# KiCad board Rogelio Pineda part 8-AMLDC-2044B.kicad_pcb (continued)
## Nets (continued)
T2p1: UT2.1 UU2.3
T2p2: UT2.2 UU2.11
T2p3: UT2.3
T2p4: UT2.4 UU2.6
T2p5: UT2.5 UU2.8
T2p8: UT2.8
T2p9: UT2.9
T2p10: UT2.10
T2p11: UT2.11
T2p12: UT2.12
T2p13: UT2.13
T3p1: UT3.1
T3p4: UT3.4
T3p9: UP5.1 UT3.9
T3p12: UT3.12
T6p3: UT6.3
T6p4: UT6.4
T6p6: UT6.6
T6p8: UT6.8
T6p9: UT6.9
T6p10: UT6.10
T6p11: UT6.11
T6p12: UT6.5 UT6.12
T6p13: UT6.13
T7p2: UT7.2
T7p3: UT7.3
T7p8: UT7.8
T7p9: UT7.9
T7p11: UT7.11
T7p12: UT7.1 UT7.12
TRK0: J1.84
TRK1: J1.86
TRK2: J1.87 UF2.10
TRK3: CR1.1 J1.83 R37.1 R49.1 UC0.9
TRK4: J1.89 UF2.8
TRK5: J1.91
TRK6: J1.73 R6.1 R7.1 UH4.1
TUR: J2.54 R28.1 R86.2 UW0.3
U0p1: UU0.1 UU1.5 UU1.6 UV2.11
U0p4: UU0.4 UU1.2 UV2.13
U0p9: UU0.9 UU1.12 UV2.1
U1p9: UU0.12 UU1.9 UV2.9
U1p11: UU1.11 UV1.11
U2p2: UU2.2 UV2.12
U2p5: UU2.5 UV2.10
U2p9: UU2.9 UV2.8
U2p13: UU2.13 UV2.2
U3p1: UU3.1 UU4.5 UU4.6
U3p4: UU3.4 UU4.2
U3p9: UL4.8 UU3.9 UU4.12
U3p12: UK5.11 UU3.12 UU4.9
U4p8: UU4.8
U4p10: UU4.10 UV4.10 UW3.10 UW4.6
U5p1: UU5.1
U5p2: UU5.2 UV5.15
U5p3: UU5.3 UV5.10
U5p4: UU5.4
U5p5: UU5.5
U5p6: UU5.6
U5p7: UU5.7
U5p9: UU5.9
U5p10: UU5.10
U5p11: UU5.11
U5p12: UU5.12
U5p13: UU5.13
U5p14: UU5.14
U5p15: UU5.15
W0p1: UD0.12 UN0.3 UW0.1
W0p2: UP3.2 UP3.5 UP3.10 UP3.13 UT3.2 UT3.5 UT3.10 UT3.13 UW0.2
W0p4: UT0.4 UW0.4
W0p6: UU1.3 UV1.3 UW0.6 UW1.2
W0p8: UW0.8 UW1.3
W0p10: UU1.10 UV1.10 UW0.10 UW1.6 UW2.6
W0p12: UU1.4 UV1.4 UW0.12 UW1.7 UW2.7
W1p1: UW1.1
W1p8: UW1.8
W1p11: UW1.11
W1p14: UW1.14
W1p16: UM2.5 UW1.16
W2p1: UW2.1
W2p8: UW2.8
W2p9: UW2.3 UW2.9
W2p10: UW2.2 UW2.10
W2p11: UW2.11
W2p14: UW2.14
W3p1: UW3.1
W3p2: UW3.2
W3p3: UW3.3
W3p4: UW3.4
W3p6: UU4.3 UV4.3 UW3.6 UW4.2
W3p8: UP4.1 UU4.11 UV4.11 UW3.8 UW4.3
W4p1: UW4.1
W4p8: UW4.8
W4p9: UW4.9
W4p11: UW4.11
W4p14: UW4.14
W5p3: UW5.3
W5p4: UW5.4
W5p5: UW5.5
W5p6: UW5.6
W5p9: UW5.9
W5p11: UW5.11
W5p12: UW5.12
W5p13: UW5.13
W5p14: UW5.14
W6p2: UW6.2
W6p3: UW6.3
W6p4: UW6.4
W6p5: UW6.5
W6p6: UW6.6
W6p8: UW6.8
W6p10: UW6.10
W6p11: UW6.11
W6p12: UW6.12
W6p13: UW6.13
WALLOUT: J1.65 UF2.5 UF5.1 UF5.13 UH5.9
WB6: J2.34 UK5.4
WL: J2.36 UK5.10
WRT: J1.88
~{DATA0}: J2.62 UL3.8 UM3.8 UN3.9 UP3.8 UR3.8
~{DATA1}: J2.65 UL3.6 UM3.6 UN3.5 UP3.6 UR3.6
~{DATA2}: J2.82 UL3.11 UM3.11 UN3.11 UP3.11 UR3.11
~{DATA3}: J2.73 UL3.3 UM3.3 UN3.13 UP3.3 UR3.3
~{DATA4}: J2.61 US3.8 UT3.8 UU3.8 UV3.8 UW3.9
~{DATA5}: J2.57 US3.6 UT3.6 UU3.6 UV3.6 UW3.5
~{DATA6}: J2.95 US3.11 UT3.11 UU3.11 UV3.11 UW3.11
~{DATA7}: J2.55 US3.3 UT3.3 UU3.3 UV3.3 UW3.13
~{DATA8}: J2.60 US0.8 UT0.8 UU0.8 UV0.8 UW0.9
~{DATA9}: J2.63 US0.6 UT0.6 UU0.6 UV0.6 UW0.5
~{DATA10}: J2.75 US0.11 UT0.11 UU0.11 UV0.11 UW0.11
~{DATA11}: J2.58 US0.3 UT0.3 UT1.3 UU0.3 UV0.3 UW0.13
~{DATA12}: J2.59 UL0.8 UM0.8 UN0.9 UP0.8 UP1.11 UR0.8
~{DATA13}: J2.64 UL0.6 UM0.6 UN0.5 UP0.6 UR0.6
~{DATA14}: J2.56 JP7.1 UL0.11 UM0.11 UN0.11 UP0.11 UR0.11
~{DATA15}: J2.66 JP8.1 UL0.3 UM0.3 UN0.13 UP0.3 UR0.3
~{DCHA}: J1.60 R38.1 UB1.1
~{DCHM0}: C62.1 J2.17 UG1.6
~{DCHM1}: J2.21
~{DCHP IN}: J1.94 UF1.1
~{DCHP OUT}: J1.93 R5.2 R54.2 R74.1 UG1.8
~{DCHR}: J2.35 UG1.3
~{DS0}: J1.72 JP2.2 UH0.9
~{DS1}: J1.68 UF0.1
~{DS2}: J1.66 R74.2 UF0.3
~{DS3}: J1.46 UG0.1
~{DS4}: J1.62 JP6.2 UH0.13
~{DS5}: J1.64 JP4.2 UH0.11
~{INTP IN}: J1.96 UH0.1
~{INTP OUT}: J1.95 R55.1 UJ0.3
~{INTR}: J2.29 UJ0.6
~{MSKO}: J1.38 UH0.3
~{RQENB}: J2.41 UF0.5
~{SELB}: J1.82 UJ0.8
~{SELD}: J1.80 UJ0.11
/Net-(UG4A-Q): UG4.13

Pads without a net: C2 1 2; C3 1 2; C4 1 2; C6 1 2; C10 2; C36 2; C57 2; J1 5 7 8 9 11 12 13 14 15 16 17 18 19 20 21 22 23 24 25 26 27 28 29 30 31 32 35 36 37 39 41 43 45 47 49 51 53 55 78 92; J2 5 7 8 9 10 12 14 16 18 20 22 24 26 28 30 32 42 43 44 45 46 47 68 70 71 72 74 76 77 78 79 80 83 85 86 87 88 89 90 91 92 93 94 96; JP1 1; JP4 1; JP5 1; R8 2; R26 2; R31 1; R84 1 2; R90 1 2; SW1 1 3; UB8 4 6 7 13; UC0 14; UE3 4; UE7 3 11; UF0 14; UF7 14; UF8 3 11; UG0 9 10 13; UG4 3 11; UG5 13; UK8 7; UM8 7; UN3 3; UN7 3; UP7 4 6 7 13; UR6 7; UR7 4 6 7 13; US7 4 5 6 7 13; UT7 4 6 7 13; UV6 2; Y1 3

## Via types
v1: diameter 0.6, hole 0.3, Top to Bottom, 769 vias
v2: diameter 0.8, hole 0.4, Top to Bottom, 19 vias
v3: diameter 0.8, hole 0.3, Top to Bottom, 1 via

## Routing (per net, layer and track width the routed paths; a pad name or vN(x,y) marks a point on that pad's centre or on a via; arc(x,y) is an arc through that point)
+5V: length 5503.6
  Top w0.15: UP2.14 191.55,171.22 191.71,172.03 192.09,173.4 193.6,176.32 C69.1 195.01,179.66 195.48,180.43 196.73,183.44 197.97,185.62 UN2.5 ; 94.03,264.45 93.1,265.61 91.87,267.22 R17.2 90.38,269.54 90.08,270.03 ; R39.1 405.18,300.19 R69.2 ; J2.3 81.19,199.07 v2(81.38,199.05) 81.67,199.06 82.27,199.48 83.4,200.01 83.92,200.53 v1(83.72,230.06) 83.92,230.06 ; US1.5 158.06,129.49 157.5,130.74 157.24,134.76 157.17,134.83 157.17,139.02 157.67,139.53 157.67,139.74 v1(157.64,139.78) 157.67,139.81 158.18,142.77 158.36,143.21 UR1.5 ; R56.2 85.93,275.78 87,274.59 87.53,273.75 88.78,272.11 R36.2 90.23,269.8
  Top w0.25: 379.78,294.22 379.75,294.11 378.13,294.22 377.77,293.86 377.68,293.95 ; 226.35,94.79 226.35,89.75 ; 226.35,94.79 R66.2 ; 226.35,94.79 226.5,94.64 226.5,97.01 226.76,97.26 ; 226.35,89.75 226.22,89.62 R65.2 ; 226.35,89.75 226.37,89.72 C32.2 ; UR6.14 340.88,150.57 340.13,151.32 ; 226.59,72.61 226.59,61.92 ; 226.59,72.61 226.82,72.84 UV3.14 ; 226.59,72.61 226.37,72.83 C32.2 ; 226.59,61.92 226.69,61.82 R82.1 ; 226.59,61.92 226.59,54.87 ; UB8.5 425.71,390.31 424.96,389.38 424.48,388.93 C17.2 415.32,388.43 414.74,389.01 ; 414.09,328.35 414,328.44 414.11,328.55 414.11,347.66 ; 414.09,328.35 414.09,311.63 ; 414.09,328.35 UF8.14 ; 340.93,366.84 341.04,366.95 UD6.14 ; 340.93,366.84 340.68,367.08 C52.2 340.68,378.27 341.09,378.67 ; 340.93,366.84 340.93,348.22 ; 341.3,234.9 341.44,234.75 v1(342.19,234.79) 342.23,234.75 342.31,234.83 ; 341.3,234.9 341.2,234.81 341.2,227.81 ; 341.3,234.9 341.3,261.53 ; 226.94,35.12 200.41,35.12 198.79,36.74 ; 226.94,35.12 226.59,35.47 226.59,54.87 ; 226.94,35.12 227.78,35.95 261.58,35.95 ; UH3.14 227.09,297.18 226.82,297.45 ; 413.94,234.72 413.91,234.7 ; 413.94,234.72 414.43,234.23 C54.2 413.37,215.64 413.37,200.93 ; 413.94,234.72 413.94,236.96 v1(413.87,237.02) 413.94,237.09 413.94,246.95 ; 296.34,383.25 UC5.14 ; 296.34,383.25 296.08,383.52 296.08,399.87 ; 296.34,383.25 296.65,382.94 296.65,366.92 296.75,367.02 ; 226.76,100.07 226.76,97.26 ; 226.76,100.07 R60.2 ; 226.76,100.07 226.81,100.02 226.81,116.49 ; 226.76,97.26 226.76,96.91 227,97.14 UU3.14 ; 144.4,87.7 144.4,93.17 143.6,93.97 143.6,97.08 ; 144.4,87.7 145.89,86.21 C34.2 ; 144.4,87.7 144.4,82.89 145.62,81.67 145.62,73.33 ; 414.74,389.01 414.74,382.88 414.81,382.95 ; 414.74,389.01 414.74,408.4 414.13,409 378.05,409 ; 146.42,183.63 146.42,169.67 146.49,169.6 ; 146.42,183.63 146.42,211.86 146.49,211.94 ; 146.42,183.63 156.52,183.63 157.38,185.48 UN1.5 ; 296.39,212.05 296.39,228.24 296.14,228.48 ; 296.39,212.05 296.39,195.01 ; 296.39,212.05 296.54,211.9 UM5.14 ; UW3.14 227.39,55.06 226.9,54.56 226.59,54.87 ; 259.2,340.75 259.2,329.43 258.91,329.15 258.98,329.08 ; 259.2,340.75 259.2,339.9 259.21,339.89 v1(257.8,339.89) 257.8,339.93 ; 259.2,340.75 259.2,348.17 ; 296.39,195.01 296.58,195.2 UN5.16 ; 296.39,195.01 296.39,170.02 ; 296.39,152 296.39,117.98 ; 296.39,152 UR5.14 ; 296.39,152 296.39,170.02 ; 296.39,117.98 296.37,117.96 ; 296.39,117.98 296.39,96.99 296.06,96.66 296.06,96.66 ; UB3.14 227.25,400.9 227.23,400.88 ; 112.29,211.88 112.14,214.48 110.98,216.86 107.59,221.59 107.59,229.22 ; 112.29,211.88 UM0.14 ; 112.29,211.88 111.72,211.32 110.86,207.44 108.95,203.12 108.32,198.62 108.29,196.08 108,195.31 ; 106.36,406.53 108.18,408.35 140.08,408.35 ; 106.36,406.53 105.4,405.57 R37.2 ; 106.36,406.53 105.38,405.55 ; 378.17,347.8 UE7.14 ; 378.17,347.8 378.17,332.73 ; 378.17,347.8 378.24,347.88 378.24,366.85 ; 341.09,378.67 338.72,378.67 338.6,378.55 v1(338.6,378.4) 338.44,378.4 338.52,378.47 ; 341.09,378.67 341.24,378.83 341.24,383.09 ; 185.96,376.5 185.07,375.43 R50.1 ; 341.2,169.66 341.36,169.5 341.48,169.62 UP6.14 ; 341.2,169.66 341.2,194.83 ; 341.2,169.66 340.1,169.66 340.02,169.74 340.02,156.09 340.13,155.98 ; UP0.14 108.19,170.01 107.88,169.7 107.88,170.03 ; 378.18,399.7 v1(378.18,405.01) 378.18,407.74 378.75,408.3 378.05,409 ; 378.18,399.7 378.18,383.39 ; 378.18,399.7 378.3,399.57 378.33,399.6 UB7.14 ; 377.09,194.88 377.09,210.53 376.14,211.47 ; 377.09,194.88 377.27,194.7 377.27,156.39 v1(377.22,156.34) 377.27,156.3 v1(377.27,139.83) 377.27,135.59 377.22,134.59 377.31,132.9 v1(377.13,121.72) 377.04,118.3 377.04,103.92 ; 377.09,194.88 377.2,195 UN7.14 ; UL2.14 187.16,228.48 186.62,229.03 ; 376.14,211.47 UM7.14 ; 376.14,211.47 376.67,212 376.67,228.13 ; UD1.14 146.08,369.87 145.85,369.64 ; 143.97,361.13 v1(144.02,361.08) 144.07,361.03 145.85,361.03 ; 413.37,200.93 413.96,200.33 422.18,200.33 422.42,200.58 424.67,202.33 426.01,204 ; 413.37,200.93 412.95,200.51 R21.1 410.82,182.53 410.49,181.79 409.92,180.74 409.92,169.61 409.9,168.64 409.92,168.1 410.63,167.22 411.33,166.56 R23.2 412.91,162.03 R24.1 412.83,117.88 412.78,117.83 412.72,54.49 412.13,51.66 410.85,38.83 410.15,35.3 377.62,35.3 377.26,34.94 ; 259.04,389.2 259.04,383.93 ; 259.04,389.2 v1(259.06,389.22) 259.04,400.96 ; 259.04,389.2 258.47,388.63 257.8,388.63 256.37,390.05 ; 259.04,383.93 261.28,383.93 UC4.14 ; 259.04,383.93 259.04,381.39 ; UL1.14 146.53,228.39 146.49,228.36 ; 186.31,403.02 186.17,403.16 186.17,409.06 185.9,409.33 ; 186.31,403.02 186.38,403.09 UB2.14 ; 186.31,403.02 186.31,385.12 ; 226.05,136.1 226.78,135.37 US3.14 ; 226.05,136.1 226.05,134.24 226.81,133.48 226.81,116.49 ; 226.05,136.1 226.05,151.63 ; 185.87,368.65 UD2.14 ; 185.87,368.65 185.83,368.6 185.8,368.63 R12.2 185.96,371.91 R13.1 185.96,384.78 186.31,385.12 ; 185.87,368.65 185.87,350.8 186,350.67 ; 296.05,409.11 296.05,405.58 v1(296.08,405.55) 296.05,405.53 296.05,401.42 296.08,399.87 ; 296.05,409.11 340.87,409.11 ; 296.05,409.11 283.86,409.11 ; 110.29,240.9 111.61,240.82 118.23,240.46 118.52,240.75 C65.1 ; 110.29,240.9 110.29,242.88 110.69,243.99 111.76,245.58 112.68,247.25 112.96,259.17 ; 110.29,240.9 107.24,231.53 107.59,229.22 ; 341.24,383.09 341.36,383.2 UC6.14 ; 341.24,383.09 341.13,383.21 341.13,400.37 ; 145.94,297.52 145.94,277.99 ; 145.94,297.52 146.13,297.33 UH1.14 ; 145.94,297.52 145.85,297.61 145.85,302.75 ; 145.94,277.99 146.06,277.87 146.06,261.48 146.3,261.72 ; 145.94,277.99 145.99,277.94 146.13,278.07 UJ1.14 ; 259.36,107.33 259.36,97.26 259.19,97.09 259.24,97.04 ; 259.36,107.33 259.36,120.82 258.68,121.5 ; 259.36,107.33 259.5,107.19 259.79,107.48 C18.2 ; 102.36,42.53 102.36,37.19 101.63,36.46 102.41,35.68 145.48,35.68 ; 102.36,42.53 107.17,42.53 ; 102.36,42.53 101.88,42.53 97.12,47.29 91.27,47.96 v1(91.02,48.17) 88.84,49.02 85.84,49.16 84.78,49.55 82.25,49.58 80.8,49.62 J2.97 ; 340.93,348.22 341.29,347.85 UE6.14 ; 340.93,348.22 340.93,342.57 341.17,342.34 341.17,328.69 ; 259.04,312.81 258.98,312.87 258.98,329.08 ; 259.04,312.81 261.33,312.81 UG4.16 ; 259.04,312.81 259.04,301.51 ; 145.85,331.98 145.85,315.46 ; 145.85,331.98 145.85,350.69 ; 145.85,331.98 146.38,331.45 146.55,331.62 UF1.14 ; 145.85,315.46 145.85,302.75 ; 145.85,315.46 146.25,315.06 UG1.14 ; 140.08,408.35 140.11,408.33 145.5,408.33 ; 140.08,408.35 140.93,407.5 140.93,385.65 143.38,383 144.48,382.85 145.98,383.3 145.98,383.55 ; 107.17,42.53 107.17,54.17 108.19,55.19 ; 107.17,42.53 107.17,40.24 v1(105.91,39.15) 106.03,39.1 ; C51.2 378.51,332.5 378.45,332.44 378.17,332.73 ; 107.28,315.6 107.67,315.21 107.67,313.3 ; 107.28,315.6 107.28,344.56 ; 107.28,315.6 107.77,315.11 UG0.14 ; 107.67,297.71 108.36,297.01 UH0.14 ; 107.67,297.71 107.4,297.53 R54.1 ; 107.67,297.71 107.74,284.8 ; 107.67,297.71 107.67,313.3 ; 295.92,312.58 296.33,312.17 UG5.14 ; 295.92,312.58 295.92,326.32 296.75,327.15 296.75,328.87 ; 295.92,312.58 296.15,312.35 R31.2 296.15,294.82 ; 414.81,382.95 414.94,382.82 414.94,366.88 ; 414.81,382.95 416.68,382.95 ; 296.06,96.66 295.2,95.79 295.2,83.67 ; 296.06,96.66 UU5.16 ; UT6.14 340.77,115.58 340.61,115.43 340.13,115.91 ; 259.04,368.69 259.04,348.01 259.2,348.17 ; 259.04,368.69 259.04,381.39 ; 259.04,368.69 259.04,367.4 259.18,367.27 UD4.14 ; 145.85,302.75 146.03,302.57 v1(148,302.65) 148.06,302.57 148.17,302.68 ; 296.75,367.02 296.75,357.24 ; 296.75,367.02 UD5.16 ; 296.75,357.24 294.76,357.28 293.73,356.35 ; 296.75,357.24 296.75,348.01 ; v1(340.25,39.53) 339.96,39.24 339.96,34.58 339.82,34.58 ; v1(340.25,39.53) 340.13,39.64 340.13,48.65 ; v1(340.25,39.53) 340.13,39.41 340.13,39.39 340.21,39.32 ; 378.17,332.73 377.68,332.24 377.68,311.42 ; 341.17,312.24 341.32,312.08 341.42,312.17 UG6.14 ; 341.17,312.24 341.17,294.68 341.13,294.64 341.3,294.47 ; 341.17,312.24 341.17,328.69 ; UM1.14 146.64,212.09 146.49,211.94 ; 296.75,328.87 296.92,328.7 297.07,328.85 UF5.14 ; 296.75,328.87 296.75,348.01 ; 226.25,243.99 226.25,266.82 v1(226.41,266.97) 226.25,267.13 226.25,278.08 226.23,278.1 ; 226.25,243.99 229.93,243.95 230.28,244.3 C68.2 ; 226.25,243.99 226.25,228.86 ; 259.04,295.03 259.04,284.87 ; 259.04,295.03 259.04,301.51 ; 259.04,295.03 259.04,294.79 259.24,294.6 259.32,294.68 UH4.16 ; 259.04,284.87 259.04,249.31 ; 259.04,284.87 259.04,283.92 258.72,283.6 R47.1 ; 186,339.94 186,339.74 186.35,339.39 191.04,339.39 190.93,339.5 v1(191.21,339.5) 191.21,339.22 ; 186,339.94 186,337.87 v1(186.1,337.77) 186,337.67 186,331.67 186.04,331.63 186.16,331.76 ; 186,339.94 186,350.67 ; UC2.16 186.38,385.06 186.31,385.12 ; 259.04,400.96 259.71,400.3 UB4.16 ; 259.04,400.96 259.04,409.33 ; 340.87,409.11 341.13,408.85 341.13,405.18 ; 340.87,409.11 363.07,409.11 363.18,409 ; 226.23,278.1 226.12,278 226.12,296.75 226.82,297.45 ; 226.23,278.1 UJ3.14 ; 186.16,331.76 UF2.14 ; 186.16,331.76 186.28,331.65 186.28,315.11 186.42,315.25 ; 118.98,376.5 118.43,375.95 117.31,375.95 ; 377.95,277.35 378.38,277.77 UJ7.16 ; 377.95,277.35 377.95,261.84 ; 377.95,277.35 377.95,293.68 377.68,293.95 ; 414.09,311.63 414.2,311.52 414.48,311.8 UG8.14 ; 414.09,311.63 413.94,311.48 413.94,262.01 ; UV6.14 340.87,72.27 340.37,71.77 340.13,72.01 ; 107.88,370.11 108.13,369.86 UD0.14 ; 107.88,370.11 107.88,375.8 108.18,376.1 ; 107.88,370.11 107.88,352.4 ; 198.79,36.74 198.73,41.03 198.65,46.4 UW2.5 ; 198.79,36.74 198.79,36.32 186.03,36.32 ; 258.68,170.57 C55.1 259.04,179.76 259.04,213.75 ; 258.68,170.57 258.68,170.31 258.68,170.3 259.13,169.86 UP4.16 ; 258.68,170.57 258.68,141.02 ; 226.81,116.49 227.07,116.23 UT3.14 ; 102.98,405.4 104.61,405.4 R37.2 ; 102.98,405.4 R18.2 100.13,403.57 99.95,403.39 ; 102.98,405.4 105.23,405.4 105.38,405.55 ; 261.72,38.77 261.79,38.84 v1(261.79,38.77) 261.72,38.77 ; 261.72,38.77 261.66,38.7 261.58,38.7 ; UM2.16 186.88,211.83 186.59,212.13 ; 377.04,103.92 379.81,104.33 385.41,104.33 388.03,104.41 388.66,106 UT7.5 ; 377.04,103.92 377.04,72.11 ; UP5.14 296.38,169.95 296.35,169.98 296.39,170.02 ; 296.14,228.48 296.14,245.97 296.22,246.05 ; 296.14,228.48 296.26,228.6 UL5.16 ; 296.22,246.05 296.37,245.91 296.43,245.97 UK5.14 ; 296.22,246.05 296.22,281.68 ; 143.6,97.08 144.03,97.51 UU1.14 ; 143.6,97.08 143.28,97.4 143.28,116.52 ; 414.94,353.01 414.11,352.17 414.11,351.52 v1(414.13,351.5) 414.11,351.47 414.11,347.66 ; 414.94,353.01 415.1,352.85 C53.2 ; 414.94,353.01 414.94,366.88 ; 146.3,261.72 UK1.14 ; 146.3,261.72 146.3,240.97 ; J1.97 81.21,238.97 v2(81.23,238.95) ; J1.3 87.78,388.75 99.95,403.39 ; US0.14 108.13,135.47 107.99,135.61 108.07,135.7 ; UN6.14 341.68,195.15 341.28,194.75 341.2,194.83 ; 261.58,35.95 271.2,35.95 ; 261.58,35.95 261.58,38.7 ; 271.2,35.95 292.88,35.95 294.6,34.23 294.73,34.36 ; 271.2,35.95 271.64,35.95 272,36.31 271.87,36.44 271.87,47.18 ; 258.98,329.08 UF4.14 ; 186.42,261.72 186.62,261.52 186.62,240.44 ; 186.42,261.72 186.72,261.41 186.77,261.45 UK2.14 ; 186.42,261.72 186.42,277.9 ; 340.13,151.32 340.13,135.66 ; 340.13,151.32 340.13,155.98 ; 340.13,135.66 340.57,135.22 340.71,135.35 US6.14 ; 340.13,135.66 340.13,115.91 ; 377.95,249.73 376.67,248.46 376.67,236.75 ; 377.95,249.73 377.95,261.84 ; 377.95,249.73 R40.1 ; 226.74,350.72 226.74,334.55 226.55,334.37 226.62,334.3 ; 226.74,350.72 UE3.14 ; 226.74,350.72 226.72,350.7 226.55,350.87 226.55,370.45 ; 226.62,334.3 C26.1 ; 226.62,334.3 226.62,331.76 ; 226.55,386.28 226.34,386.5 R27.2 ; 226.55,386.28 226.45,386.38 226.45,400.87 ; 226.55,386.28 226.55,370.45 ; 226.55,386.28 226.74,386.47 UC3.14 ; 117.31,375.95 117.54,376.18 C19.2 ; 117.31,375.95 108.18,375.95 108.18,376.1 ; 145.98,383.55 145.98,386.3 ; 145.98,383.55 145.98,379.15 ; 186.22,97.13 186.03,96.94 186.03,83.21 ; 186.22,97.13 186.35,97.26 UU2.14 ; 186.22,97.13 186.22,116.86 ; 107.59,229.22 108.32,228.48 UL0.14 ; 186.62,240.44 191.88,240.54 192.08,240.74 C67.1 ; 186.62,240.44 186.62,229.03 ; 186.42,315.25 186.42,297.21 ; 186.42,315.25 UG2.14 ; 186.42,297.21 186.42,277.9 ; 186.42,297.21 186.55,297.07 186.7,297.22 UH2.14 ; UV1.14 145.71,73.42 145.62,73.33 ; 259.04,301.51 258.81,301.28 258.61,301.48 R68.1 ; 341.3,294.47 UH6.14 ; 341.3,294.47 341.3,277.78 ; 226.55,370.45 227.24,369.77 UD3.16 ; 258.68,121.5 258.99,121.19 268.94,121.19 270.66,124.5 US4.5 ; 258.68,121.5 258.68,141.02 ; C22.2 295.7,84.17 295.2,83.67 ; 145.85,369.64 145.85,361.03 ; 145.85,369.64 145.85,379.02 145.98,379.15 ; 145.85,361.03 145.85,350.69 ; 107.88,170.03 107.88,195.19 108,195.31 ; 107.88,170.03 107.88,152.44 ; UV2.14 186.48,73.42 186.03,73.86 ; UL3.14 226.61,228.49 226.25,228.86 ; C70.1 226.31,177.9 226.02,178.19 ; 185.9,409.33 217.61,409.33 ; 185.9,409.33 146.5,409.33 145.5,408.33 ; 217.61,409.33 220.53,409.33 ; 217.61,409.33 217.83,409.11 R30.2 ; R64.2 223.57,84.83 C32.2 ; 414.94,366.88 415.17,366.65 UD8.14 ; 259.24,97.04 UU4.14 ; 259.24,97.04 259.24,72.97 ; 108.81,284.76 109.18,284.87 107.74,284.8 ; 377.95,261.84 378.87,260.92 UK7.14 ; 340.13,72.01 340.13,56.27 ; 340.13,72.01 340.13,85.62 ; 340.13,56.27 340.13,48.65 ; 340.13,56.27 340.13,55.09 340.74,54.49 341,54.75 UW6.14 ; 146.49,211.94 146.49,228.36 ; 259.24,72.97 259.5,72.71 259.57,72.78 260.06,72.78 260.31,72.53 UV4.14 ; 259.24,72.97 259.36,72.84 v1(259.36,60.58) 259.36,38.7 261.58,38.7 ; 341.2,227.81 341.2,211.52 ; 341.2,227.81 341.55,228.15 UL6.14 ; UG7.14 378.18,311.92 377.68,311.42 ; 146.49,169.6 146.81,169.92 UP1.14 ; 146.49,169.6 145.96,166.87 145.85,165.67 145.31,159.28 144.24,157.64 143.46,154.5 142.85,152.96 142.53,152.36 142.31,151.61 142.2,142.63 142.21,140.09 ; 146.49,228.36 146.3,228.55 146.3,240.97 ; 296.22,281.68 296.22,294.75 296.15,294.82 ; 296.22,281.68 297.08,281.68 v1(297.2,281.8) 297.26,281.86 ; UW6.1 341.15,47.13 340.45,46.43 340.13,46.75 340.13,48.65 ; 108.07,139.65 108.07,135.7 ; 108.07,139.65 107.88,139.83 107.88,152.44 ; 108.07,139.65 108.1,139.67 110.52,139.67 v1(110.6,139.75) 110.67,139.67 110.8,139.67 ; 108.07,135.7 108.07,129.53 ; 186.48,141.35 186.48,135.7 ; 186.48,141.35 197.21,141.35 198.18,143.22 UR2.5 ; 186.48,141.35 186.3,141.54 R85.2 186.3,177.92 v1(186.12,178.1) 186.3,178.28 186.3,211.84 186.59,212.13 ; 186.48,135.7 186.69,135.49 186.82,135.62 US2.14 ; 186.48,135.7 186.48,120.94 186.53,120.89 186.22,120.59 186.22,116.86 ; 259.04,236.61 259.04,235.71 259.07,235.68 259.41,236.01 UL4.14 ; 259.04,236.61 259.04,249.31 ; 259.04,236.61 259.04,213.75 ; R37.2 108.18,402.17 108.18,376.1 ; 340.13,85.62 340.13,115.91 ; 340.13,85.62 340.7,85.06 340.74,85.1 C23.2 ; 259.04,249.31 v1(260.38,249.43) 260.44,249.31 260.45,249.3 ; 341.2,194.83 341.2,211.52 ; C39.2 263.11,140.78 263.03,140.7 ; 107.88,352.4 108.66,351.63 108.98,351.63 UE0.14 ; 107.88,352.4 107.28,351.8 107.28,344.56 ; 107.88,352.4 112.34,352.4 113.6,351.13 113.6,350.29 115.09,348.8 ; UW0.14 108.64,55.64 108.19,55.19 ; 378.05,409 369.26,409 ; 339.82,34.58 294.95,34.58 294.73,34.36 ; 339.82,34.58 340.18,34.94 377.26,34.94 ; 341.2,211.52 341.29,211.6 UM6.14 ; UV0.14 108.33,73.48 107.91,73.07 ; 377.68,311.42 377.68,293.95 ; 186.03,83.21 186.5,83.67 C33.2 ; 186.03,83.21 186.03,73.86 ; 107.91,97.71 107.93,97.69 UU0.14 ; 107.91,97.71 107.91,116.51 108.07,116.66 ; 107.91,97.71 107.91,85.3 ; UW5.16 296.54,54.88 296.13,54.74 295.2,54.65 295.2,56.27 ; 341.13,405.18 341.27,405.33 C5.2 ; 341.13,405.18 341.13,403.64 ; 259.04,381.39 259.04,380.24 258.85,380.05 258.15,380.76 R88.2 255.31,378.54 254.09,376.12 ; 341.13,403.64 340.13,402.65 R81.1 ; 341.13,403.64 341.13,400.37 ; 143.28,116.52 143.24,116.49 143.24,120.22 142.21,121.26 142.21,140.09 ; 143.28,116.52 UT1.14 ; UM4.14 259.46,211.92 259.3,211.77 259.04,212.03 259.04,213.75 ; UV5.16 295.82,72.4 295.66,72.24 295.2,72.7 ; 222.78,409.33 226.02,409.33 ; 222.78,409.33 222.96,409.15 222.96,403.74 v1(223.04,403.66) 222.96,403.58 222.96,403.46 223.03,403.39 ; 222.78,409.33 220.53,409.33 ; 226.02,409.33 259.04,409.33 ; 226.02,409.33 226.49,409.33 226.56,409.26 226.56,404.47 226.62,404.53 v1(226.62,404.39) 226.49,404.39 226.38,404.29 226.45,404.22 226.45,400.87 ; 105.38,405.55 104.88,405.55 104.63,405.3 ; 145.5,408.33 145.5,402.58 145.91,402.99 UB1.14 ; 107.67,313.3 103.38,313.3 102.73,312.65 ; 340.13,155.98 C37.2 ; 226.17,170.02 UP3.14 ; 226.17,170.02 226.02,169.88 226.02,178.19 ; 226.17,170.02 226.05,169.91 226.05,151.63 ; 283.86,409.11 284.19,406.02 R87.2 ; 283.86,409.11 259.04,409.33 ; 220.53,409.33 R29.2 ; 294.73,34.36 295.2,34.83 295.2,56.27 ; 226.78,331.76 226.79,331.75 UF3.16 ; 226.78,331.76 226.62,331.76 ; 226.78,331.76 229.09,331.76 ; 363.66,406.58 363.66,408.52 363.18,409 ; 369.26,409 370.03,408.23 R80.2 ; 369.26,409 363.18,409 ; 259.2,348.17 UE4.14 ; 377.26,34.94 377.26,55.53 377.37,55.64 ; 414.11,347.66 414.29,347.48 414.4,347.6 UE8.14 ; 377.37,55.64 377.11,55.38 377.11,72.04 377.04,72.11 ; 377.37,55.64 R26.1 ; 107.74,278.23 107.67,278.16 107.67,278.17 107.67,284.5 ; 107.74,278.23 107.74,267.65 112.96,262.43 112.96,259.17 ; 107.74,278.23 UJ0.14 ; 112.96,259.17 113.15,258.97 UK0.14 ; 107.28,344.56 R32.2 ; 296.75,348.01 UE5.14 ; 258.68,141.02 259.01,140.7 263.03,140.7 ; 226.82,297.45 226.82,315.06 ; 378.18,383.39 378.37,383.2 UC7.14 ; 378.18,383.39 378.09,383.3 378.09,366.7 378.24,366.85 ; 413.94,246.95 413.94,249.78 v1(413.96,249.8) 413.94,249.82 413.94,262.01 ; 413.94,246.95 413.83,246.84 ; 378.23,237.3 v1(378.23,237.26) 378.18,237.26 377.68,236.75 376.67,236.75 ; 376.67,236.75 376.67,228.13 ; 108.19,55.19 108.19,72.78 107.91,73.07 ; 186.03,73.86 186.03,36.32 ; 186.03,36.32 185.8,36.08 158.18,36.08 157.9,36.37 ; 227.23,400.88 228.73,400.91 ; 227.23,400.88 226.45,400.87 ; 107.67,284.5 107.74,284.8 ; 107.67,284.5 107.59,284.43 R55.2 ; 186.22,116.86 186.66,116.42 UT2.14 ; 377.04,72.11 377.26,71.89 377.51,72.15 UV7.14 ; 295.2,72.7 295.2,56.27 ; 295.2,72.7 295.2,83.67 ; 146.3,240.97 146.99,240.28 151.33,240.35 151.53,240.55 C66.2 ; 296.15,294.82 296.42,294.55 UH5.14 ; 186.59,212.13 186.62,212.16 186.62,229.03 ; 145.62,73.33 145.62,35.83 145.48,35.68 ; 226.02,178.19 226.02,194.86 226.43,195.27 ; 376.67,228.13 376.99,227.81 377.28,228.1 UL7.14 ; 226.82,315.06 UG3.14 ; 226.82,315.06 226.55,315.32 226.55,331.69 226.62,331.76 ; 186,350.67 186.2,350.87 UE2.14 ; UJ2.14 186.97,278.18 186.55,277.76 186.42,277.9 ; 108,195.31 UN0.14 ; 341.13,400.37 341.64,399.85 UB6.14 ; UC1.14 146,386.32 145.98,386.3 ; 107.88,152.44 107.88,152.22 108.04,152.06 108.12,152.14 UR0.14 ; 107.91,85.3 108.02,85.19 108.42,85.59 C35.2 ; 107.91,85.3 107.91,73.07 ; 263.03,140.7 264.84,140.7 ; 226.32,211.92 226.29,211.88 226.29,195.41 226.43,195.27 ; 226.32,211.92 UM3.14 ; 226.32,211.92 226.25,211.85 226.25,228.86 ; UW1.5 158.06,40.07 157.9,36.37 ; C46.1 145.98,390.35 145.98,386.3 ; UR3.14 226.5,152.08 226.05,151.63 ; 341.3,277.78 341.4,277.68 341.58,277.85 UJ6.14 ; 341.3,277.78 341.3,261.53 ; UB5.14 297.32,399.85 296.08,399.87 ; 341.17,328.69 341.23,328.75 UF6.14 ; UK8.14 413.98,261.02 413.94,261.07 413.94,262.01 ; 145.48,35.68 157.89,36.24 157.9,36.37 ; 378.24,366.85 UD7.14 ; 145.98,379.15 145.68,378.85 ; 226.43,195.27 UN3.14 ; 341.3,261.53 341.5,261.32 UK6.16 ; 142.21,140.09 143.12,140.09 143.25,139.96 v1(143.43,139.96) 143.43,139.78 143.46,139.76 ; 145.85,350.69 146.03,350.51 146.29,350.77 UE1.14 ; 108.07,116.66 108.09,116.64 108.3,116.85 UT0.14 ; 108.07,116.66 108.07,129.53 ; 108.07,129.53 108.16,129.44 ; 99.95,403.39 100.08,403.55
  Bottom w0.15: v1(143.43,139.96) 155.92,139.66 v1(157.64,139.78) ; v1(297.2,281.8) 297.16,281.8 296.83,282.12 296.45,282.15 R67.2 ; R48.2 252.24,302.25 254.35,302.06 R68.1 ; 96.53,266.51 96.57,266.55 ; 96.57,266.55 96.14,266.12 R92.2 ; 96.57,266.55 97.78,267.76 97.78,267.79 102.58,271.94 102.97,272.34 104.9,273.95 107.87,276.29 108.5,276.78 UJ0.14 ; C65.1 120.79,238.85 120.44,238.5 ; v1(413.96,249.8) 410.04,250.4 408.27,250.61 406.19,250.97 404.36,251.32 R43.1 ; UC7.14 380.16,383.42 379.42,383.48 379.08,383.53 R79.1 ; R86.1 84.09,56.74 83.82,55.89 83.53,55 82.51,51.98 81.98,50.53 81.24,49.41 J2.97 ; UR7.5 387.75,140.99 387.22,139.98 387.07,139.83 v1(377.27,139.83) ; UR4.5 270.47,143.54 270.29,142.95 269.55,141.99 269.42,141.73 268.45,141.02 267.6,140.78 C39.2 ; UJ6.14 343.18,277.95 341.93,278.43 340.9,278.44 R41.2 ; 323.59,371.38 323.62,371.36 ; 323.62,371.36 336.51,371.95 340.58,372.5 340.68,372.4 C52.2 ; 323.62,371.36 R45.2 ; UP7.5 388.55,160.01 388.33,159.4 387.51,158.63 387.05,158.39 385.21,157.19 383.81,156.33 377.24,156.33 v1(377.22,156.34) ; 298.48,243.68 298.48,243.68 296.37,244.22 294.5,244.58 292.75,244.95 292.06,245.18 ; 298.48,243.68 UK5.14 ; 298.48,243.68 298.51,243.72 316.23,243.5 317.86,243.15 319.3,242.68 320.35,242.12 322.28,241.35 324.98,240.14 328.06,238.58 331.68,236.38 334.38,235.68 336.76,234.9 v1(342.19,234.79) 343.88,234.79 345.37,235.04 353.26,236.21 355.37,236.39 360.59,236.89 361.02,236.9 375.63,236.61 378.42,236.61 ; C66.2 153.68,239.42 152.76,238.5 ; 378.42,236.61 398.67,236.61 399.13,236.61 400.43,236.65 403.59,236.42 411.98,236.06 v1(413.87,237.02) ; 378.42,236.61 378.42,237.06 v1(378.23,237.26) ; 292.06,245.18 290.4,245.56 288.38,246.07 288.35,246.05 286.98,246.31 283.02,247.16 279.64,247.65 277,247.97 272.21,248.55 269.02,248.71 266.03,248.84 v1(260.38,249.43) 257.19,248.03 253.91,246.87 251.13,246.26 247.1,244.68 242.79,243.7 240.9,243.44 234.01,242.65 233.87,242.58 C68.2 233.04,242.29 232.89,242.14 226.24,241.41 221.58,241.23 C67.1 155.01,240.74 152.76,238.5 ; 292.06,245.18 292.13,245.17 ; v1(257.8,339.89) 257.71,339.89 256.07,340.46 R89.1 ; v1(83.72,230.06) 84.21,230.55 94.06,230.55 96.25,231.88 98.67,233.51 104.82,236.82 106.64,237.43 111.72,238.5 120.44,238.5 ; 152.76,238.5 120.44,238.5 ; C55.1 259.97,179.4 263.85,181.84 265.91,182.59 267.44,183.3 268.52,183.8 270.1,184.49 271.45,185.83 UN4.5 ; C69.1 188.96,177.97 188.14,178.07 187.72,178.1 v1(186.12,178.1) ; R69.2 403.29,298.57 402.63,298.79 399.41,299.22 394.77,299.6 390.36,299.54 389.58,299.51 387.98,299.34 385.28,298.38 384.18,297.95 382.62,297.23 381,296.5 379.98,295.59 379.91,295.53 UH7.14 ; 309.33,387.74 309.34,387.75 v1(309.34,387.71) 309.3,387.71 309.1,387.51 307.68,387.51 307.12,387.55 301.5,387.14 300.64,386.94 300.34,386.42 299.92,385.73 299.68,385.1 299.5,384.52 UC5.14 ; v1(259.36,60.58) 253.02,60.58 253,60.57 v1(253,60.53) 252.97,60.53 252.98,60.54
  Bottom w0.2: R6.2 144.95,298.26 146.38,297.99 UH1.14 ; R8.1 143.89,318.52 144.92,317.78 145.62,317.4 146.92,316.54 147.43,315.97 UG1.14 ; 80.85,388.26 80.79,388.2 v1(80.75,388.26) J1.3
  Bottom w0.25: v2(81.23,238.95) 82.16,238.95 83.38,237.73 83.38,230.4 v1(83.72,230.06)
GND: length 6040.3